# KiCad board chastity.kicad_pcb
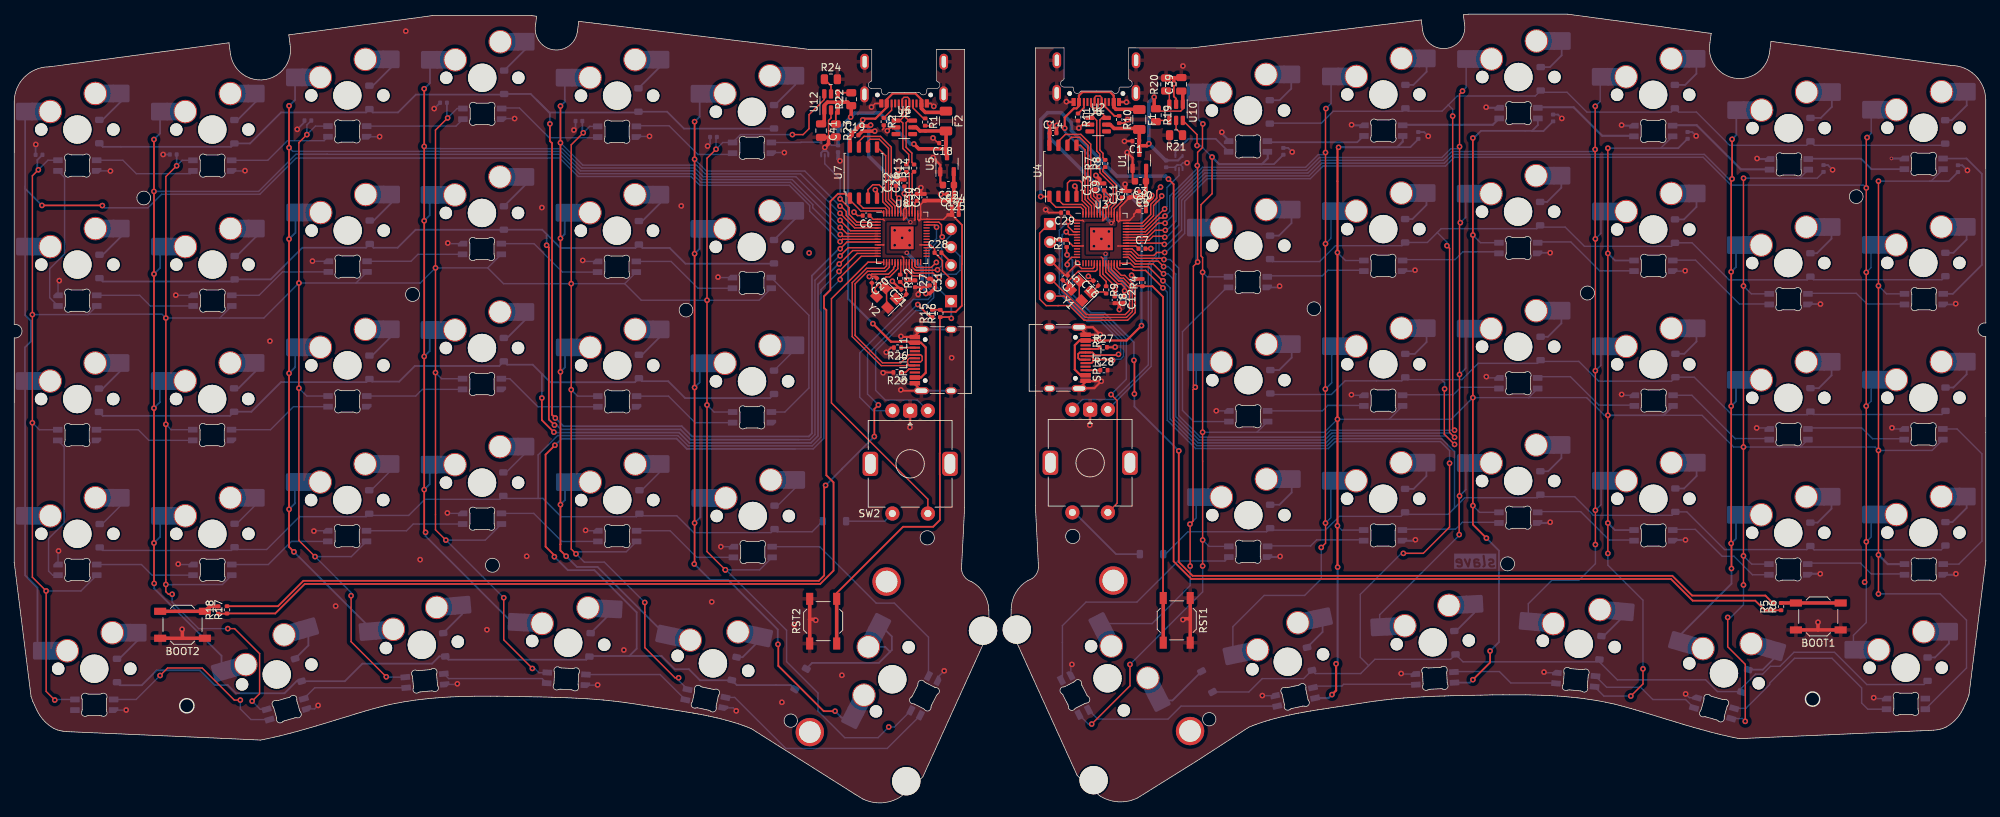
[diagram p0: board, top side]
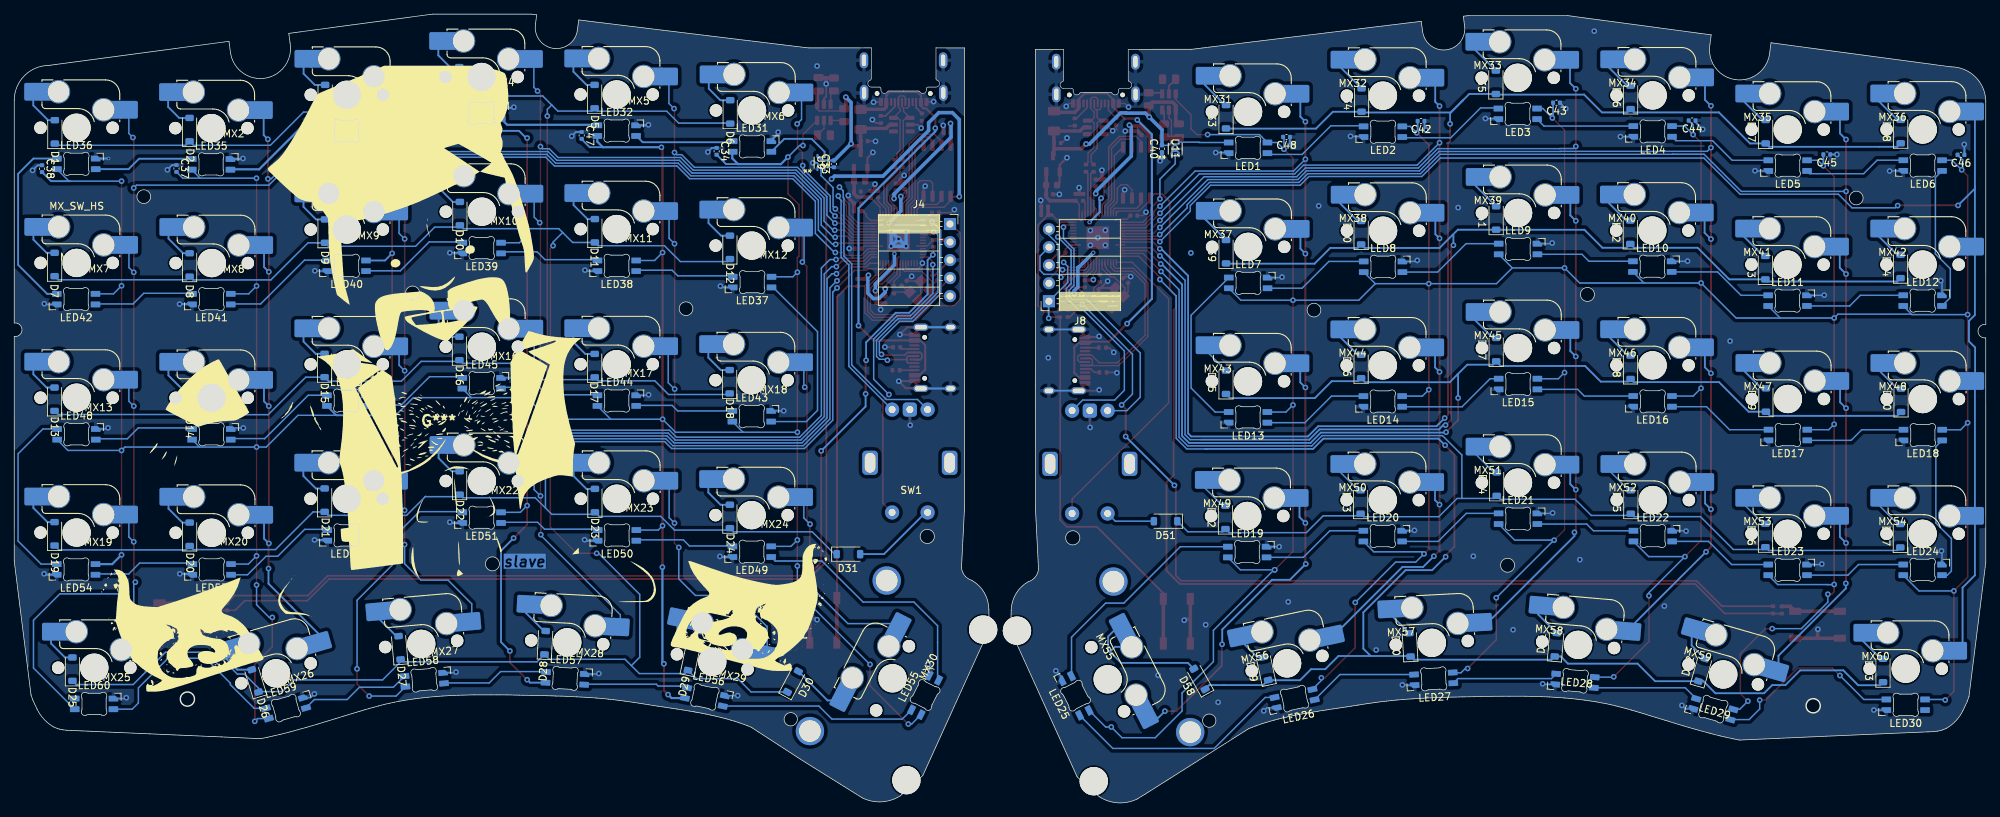
[diagram p1: board, bottom side, seen from below]

Outline 277.61 x 111.17 mm; copper layers: Top, Bottom. Coordinates in mm from the lower left corner of the outline.
Outline path: circle c18.24,85.26 r0.97 ; circle c24.31,13.69 r1 ; circle c56.09,71.67 r0.98 ; circle c67.33,33.49 r0.99 ; circle c94.6,69.46 r0.97 ; circle c109.34,11.59 r0.93 ; circle c128.56,37.36 r1 ; circle c149.05,37.56 r1 ; circle c168.27,11.79 r0.93 ; circle c183.01,69.66 r0.97 ; circle c210.27,33.69 r0.99 ; circle c221.52,71.87 r0.98 ; circle c253.22,14.63 r1 ; circle c259.36,85.46 r0.97 ; 38.84,106.93 arc(35.38,101.96) 30.46,105.49 30.24,107.14 4.91,103.75 arc(1.47,102.33) 0.01,98.91 0,67.44 arc(1.1,66.5) 0.01,65.54 0,33.91 2.37,15 2.61,14.31 3.22,13.02 arc(4.21,11.57) 5.58,10.49 6.06,10.29 6.39,10.19 6.85,10.1 7.36,10.04 8.13,10.01 29.15,9.1 34.69,8.85 35.59,9.03 37.41,9.44 38.94,9.83 41.18,10.45 42.52,10.84 45.17,11.65 48.21,12.58 48.68,12.72 49.31,12.91 49.91,13.08 50.54,13.26 51.29,13.46 52.23,13.71 52.78,13.83 53.52,13.99 54.88,14.24 56.47,14.48 57.44,14.6 58.28,14.69 59.36,14.79 60.31,14.86 61.46,14.93 62.54,14.97 64.84,15.03 67.97,15.03 69.47,15.02 71.12,14.98 73.63,14.94 75.71,14.89 76.25,14.86 76.95,14.85 77.77,14.82 79.18,14.75 80.66,14.67 81.96,14.58 83.01,14.49 83.67,14.42 84.39,14.34 85.08,14.26 86,14.14 87.19,13.97 88.41,13.78 89.3,13.64 89.99,13.53 90.58,13.44 91.33,13.33 91.89,13.25 92.51,13.15 92.84,13.1 93.3,13.03 94.07,12.91 94.62,12.82 95.1,12.74 95.56,12.66 95.68,12.64 95.79,12.62 95.97,12.59 96.14,12.56 96.4,12.51 96.74,12.45 97.04,12.39 97.4,12.32 97.81,12.23 98.05,12.18 98.5,12.08 98.94,11.98 99.55,11.83 100.21,11.66 100.89,11.47 101.39,11.32 101.93,11.15 102.76,10.86 103.23,10.68 103.78,10.46 118.4,1.21 119.49,0.55 arc(122.2,0.01) 124.82,0.87 127.94,3.67 136.76,23.1 137.25,26.04 137.23,27.08 arc(136.58,29.45) 134.83,31.17 arc(133.81,31.86) 133.38,33.01 133.82,41.66 133.83,58.78 133.81,70.25 133.82,106.21 129.85,106.22 ; 38.84,106.93 38.66,108.26 58.87,110.97 72.83,110.97 73.56,110.88 73.41,109.66 arc(75.84,106.16) 79.29,108.67 79.49,110.16 111.81,106.22 120.75,106.22 ; 147.82,106.43 143.79,106.41 143.81,58.8 143.8,57.45 143.79,41.86 144.22,33.21 arc(143.79,32.06) 142.78,31.37 arc(141.03,29.65) 140.38,27.28 140.36,26.24 140.85,23.3 149.67,3.87 152.82,1.01 arc(155.45,0.15) 158.15,0.69 166.58,5.95 173.83,10.66 174.38,10.88 174.85,11.06 175.68,11.35 176.22,11.52 176.72,11.67 177.4,11.86 178.06,12.03 178.67,12.18 179.11,12.28 179.56,12.38 179.8,12.43 180.21,12.52 180.57,12.59 180.87,12.65 181.21,12.71 181.47,12.76 181.64,12.79 181.82,12.82 181.93,12.84 182.05,12.86 182.51,12.94 182.99,13.02 183.54,13.11 184.31,13.23 184.77,13.3 185.1,13.35 185.72,13.45 186.28,13.53 187.03,13.64 187.62,13.73 188.31,13.84 189.2,13.98 190.42,14.17 191.61,14.34 192.53,14.46 193.22,14.54 193.94,14.62 194.6,14.69 195.65,14.78 196.95,14.87 198.43,14.95 199.84,15.02 200.66,15.05 201.36,15.06 201.9,15.09 203.98,15.14 206.49,15.18 208.14,15.22 209.64,15.23 212.77,15.23 215.07,15.17 216.15,15.13 217.3,15.06 218.25,14.99 219.33,14.89 220.17,14.8 221.14,14.68 222.73,14.44 224.09,14.19 224.83,14.03 225.38,13.91 226.32,13.66 227.07,13.46 227.7,13.28 228.3,13.11 228.93,12.92 229.4,12.78 232.44,11.85 235.09,11.04 236.43,10.65 238.67,10.03 240.2,9.64 242.02,9.23 242.92,9.05 248.46,9.3 258.51,9.73 269.48,10.21 270.25,10.24 270.76,10.3 271.22,10.39 271.55,10.49 272.03,10.69 arc(273.4,11.77) 274.39,13.21 275,14.51 275.24,15.2 277.61,34.11 277.6,65.74 arc(276.5,66.69) 277.61,67.64 277.6,99.11 arc(276.14,102.53) 272.69,103.95 247.37,107.34 247.15,105.69 arc(242.23,102.16) 238.77,107.13 ; 156.92,106.43 165.8,106.42 198.12,110.36 198.32,108.87 arc(201.76,106.36) 204.19,109.86 204.05,111.08 204.78,111.17 218.74,111.17 238.95,108.46 238.76,107.13

## Placement (name value [footprint] x y rotation side)
BOOT1  SW_Push  [SW_SPST_TL3342]  254.02 26.28 180 top
BOOT2  SW_Push  [SW_SPST_TL3342]  23.7 25.11 180 top
C1  1u  [C_0402_1005Metric]  157.92 93.28 180 top
C2  1u  [C_0402_1005Metric]  158.88 86.17 180 top
C3  10u  [C_0603_1608Metric]  158.58 87.63 180 top
C4  1u  [C_0402_1005Metric]  157.03 85.78 90 top
C5  100n  [C_0402_1005Metric]  158.87 83.41 0 top
C6  100n  [C_0402_1005Metric]  119.96 82.78 180 top
C7  100n  [C_0402_1005Metric]  158.79 78.12 0 top
C8  100n  [C_0402_1005Metric]  154.96 70.91 270 top
C9  100n  [C_0402_1005Metric]  153.46 86.83 90 top
C10  100n  [C_0402_1005Metric]  158.86 84.46 0 top
C11  1u  [C_0402_1005Metric]  155.96 85.8 90 top
C12  100n  [C_0402_1005Metric]  156.18 70.97 270 top
C13  100n  [C_0402_1005Metric]  152.24 87 90 top
C14  1u  [C_0402_1005Metric]  146.27 94.41 0 top
C15  22p  [C_0402_1005Metric]  147.98 74.02 225 top
C16  22p  [C_0402_1005Metric]  152.29 73.24 135 top
C17  1u  [C_0402_1005Metric]  131.81 85.78 180 top
C18  1u  [C_0402_1005Metric]  130.72 93 180 top
C19  1u  [C_0402_1005Metric]  118.39 94.12 0 top
C20  22p  [C_0402_1005Metric]  121.11 73.63 225 top
C21  22p  [C_0402_1005Metric]  125.26 72.02 135 top
C22  10u  [C_0603_1608Metric]  131.54 87.09 180 top
C23  1u  [C_0402_1005Metric]  128.17 85.36 90 top
C24  100n  [C_0402_1005Metric]  132.51 84.03 0 top
C25  100n  [C_0402_1005Metric]  132.51 82.89 0 top
C26  100n  [C_0402_1005Metric]  125.34 87.38 90 top
C27  100n  [C_0402_1005Metric]  126.86 73.17 270 top
C28  100n  [C_0402_1005Metric]  130.07 77.55 0 top
C29  100n  [C_0402_1005Metric]  147.89 83.19 180 top
C30  1u  [C_0402_1005Metric]  127.11 85.36 90 top
C31  100n  [C_0402_1005Metric]  128.89 73.42 270 top
C32  100n  [C_0402_1005Metric]  124.16 87.47 90 top
C33  100n  [C_0402_1005Metric]  162.2 90.07 90 bottom
C34  100u  [C_0402_1005Metric]  178.7 91.84 270 bottom
C35  100u  [C_0402_1005Metric]  216.68 96.54 270 bottom
C36  100u  [C_0402_1005Metric]  235.62 94.09 270 bottom
C37  100u  [C_0402_1005Metric]  254.76 89.42 270 bottom
C38  100u  [C_0402_1005Metric]  273.69 89.4 270 bottom
C39  100n  [C_0805_2012Metric]  164.33 101.29 90 top
C40  100n  [C_0402_1005Metric]  116 92.2 90 bottom
C41  100n  [C_0805_2012Metric]  113.61 94.76 270 top
C42  100u  [C_0402_1005Metric]  79.51 96.11 0 bottom
C43  100u  [C_0402_1005Metric]  60.45 98.69 0 bottom
C44  100u  [C_0402_1005Metric]  41.35 96.18 0 bottom
C45  100u  [C_0402_1005Metric]  22.39 91.39 0 bottom
C46  100u  [C_0402_1005Metric]  3.5 91.35 0 bottom
C47  100u  [C_0402_1005Metric]  197.7 94.08 270 bottom
C48  100u  [C_0402_1005Metric]  98.46 93.86 0 bottom
D1  D_Small  [D_SOD-123]  271.89 94.58 90 bottom
D2  D_Small  [D_SOD-123]  252.91 94.9 90 bottom
D3  D_Small  [D_SOD-123]  233.82 99.55 90 bottom
D4  D_Small  [D_SOD-123]  214.94 102.06 90 bottom
D5  D_Small  [D_SOD-123]  195.89 99.55 90 bottom
D6  D_Small  [D_SOD-123]  176.79 97.39 90 bottom
D7  D_Small  [D_SOD-123]  271.91 75.89 90 bottom
D8  D_Small  [D_SOD-123]  252.91 75.83 90 bottom
D9  D_Small  [D_SOD-123]  233.84 80.6 90 bottom
D10  D_Small  [D_SOD-123]  214.85 83.06 90 bottom
D11  D_Small  [D_SOD-123]  195.85 80.64 90 bottom
D12  D_Small  [D_SOD-123]  176.83 78.3 90 bottom
D13  D_Small  [D_SOD-123]  271.93 56.9 90 bottom
D14  D_Small  [D_SOD-123]  252.91 56.8 90 bottom
D15  D_Small  [D_SOD-123]  233.91 61.65 90 bottom
D16  D_Small  [D_SOD-123]  214.92 64.05 90 bottom
D17  D_Small  [D_SOD-123]  195.87 61.64 90 bottom
D18  D_Small  [D_SOD-123]  176.86 59.36 90 bottom
D19  D_Small  [D_SOD-123]  271.92 37.93 90 bottom
D20  D_Small  [D_SOD-123]  252.9 37.86 90 bottom
D21  D_Small  [D_SOD-123]  233.89 42.67 90 bottom
D22  D_Small  [D_SOD-123]  214.88 45.09 90 bottom
D23  D_Small  [D_SOD-123]  195.84 42.61 90 bottom
D24  D_Small  [D_SOD-123]  176.84 40.37 90 bottom
D25  D_Small  [D_SOD-123]  269.41 18.85 90 bottom
D26  D_Small  [D_SOD-123]  243.68 17.2 73 bottom
D27  D_Small  [D_SOD-123]  223.35 21.86 85 bottom
D28  D_Small  [D_SOD-123]  202.85 22.58 93 bottom
D29  D_Small  [D_SOD-123]  182.38 20.3 102 bottom
D30  D_Small  [D_SOD-123]  167.97 17.09 118 bottom
D31  D_Small  [D_SOD-123]  160.15 35.06 180 bottom
D33  D_Small  [D_SOD-123]  106.98 96.71 90 bottom
D34  D_Small  [D_SOD-123]  87.89 99.07 90 bottom
D35  D_Small  [D_SOD-123]  68.98 101.57 90 bottom
D36  D_Small  [D_SOD-123]  50.01 99.45 90 bottom
D37  D_Small  [D_SOD-123]  31 94.6 90 bottom
D38  D_Small  [D_SOD-123]  11.98 94.63 90 bottom
D39  D_Small  [D_SOD-123]  106.98 77.69 90 bottom
D40  D_Small  [D_SOD-123]  87.96 80.36 90 bottom
D41  D_Small  [D_SOD-123]  68.95 82.44 90 bottom
D42  D_Small  [D_SOD-123]  50.06 80.44 90 bottom
D43  D_Small  [D_SOD-123]  31.04 75.44 90 bottom
D44  D_Small  [D_SOD-123]  12 75.61 90 bottom
D45  D_Small  [D_SOD-123]  106.98 59.28 90 bottom
D46  D_Small  [D_SOD-123]  87.96 61.51 90 bottom
D47  D_Small  [D_SOD-123]  68.94 63.89 90 bottom
D48  D_Small  [D_SOD-123]  50.02 61.4 90 bottom
D49  D_Small  [D_SOD-123]  30.96 56.79 90 bottom
D50  D_Small  [D_SOD-123]  11.93 56.75 90 bottom
D51  D_Small  [D_SOD-123]  115.49 39.7 0 bottom
D52  D_Small  [D_SOD-123]  107.06 40.24 90 bottom
D53  D_Small  [D_SOD-123]  88.03 42.41 90 bottom
D54  D_Small  [D_SOD-123]  68.87 44.93 90 bottom
D55  D_Small  [D_SOD-123]  49.98 42.41 90 bottom
D56  D_Small  [D_SOD-123]  31.03 37.69 90 bottom
D57  D_Small  [D_SOD-123]  12.04 37.66 90 bottom
D58  D_Small  [D_SOD-123]  110.72 17.46 61 bottom
D59  D_Small  [D_SOD-123]  101.38 18.92 78 bottom
D60  D_Small  [D_SOD-123]  81.08 22.27 87 bottom
D61  D_Small  [D_SOD-123]  60.55 22.29 95 bottom
D62  D_Small  [D_SOD-123]  40 18.74 106 bottom
D63  D_Small  [D_SOD-123]  14.47 18.66 90 bottom
F1  Fuse_Small  [Fuse_1206_3216Metric]  158.42 96.32 270 top
F2  Fuse_Small  [Fuse_1206_3216Metric]  131.19 96.11 270 top
G***  LOGO  [mrSlave2]  217.83 53.86 180 bottom
J2  USB_C_Receptacle_USB2.0  [USB_C_Receptacle_HRO_TYPE-C-31-M-14]  125.29 99.79 180 top
J4  Conn_01x05  [PinSocket_1x05_P2.54mm_Horizontal]  145.84 81.59 180 bottom
J6  USB_C_Receptacle_USB2.0  [USB_C_Receptacle_HRO_TYPE-C-31-M-14]  152.36 99.99 180 top
J8  Conn_01x05  [PinSocket_1x05_P2.54mm_Horizontal]  131.91 70.71 0 bottom
LED1  SK6803MINI-E  [LED_MX_6028R]  103.88 92.33 180 bottom
LED2  SK6803MINI-E  [LED_MX_6028R]  84.89 94.6 180 bottom
LED3  SK6803MINI-E  [LED_MX_6028R]  65.91 97.12 180 bottom
LED4  SK6803MINI-E  [LED_MX_6028R]  46.91 94.64 180 bottom
LED5  SK6803MINI-E  [LED_MX_6028R]  27.9 89.82 180 bottom
LED6  SK6803MINI-E  [LED_MX_6028R]  8.89 89.83 180 bottom
LED7  SK6803MINI-E  [LED_MX_6028R]  103.86 73.29 0 bottom
LED8  SK6803MINI-E  [LED_MX_6028R]  84.87 75.57 0 bottom
LED9  SK6803MINI-E  [LED_MX_6028R]  65.86 78.07 0 bottom
LED10  SK6803MINI-E  [LED_MX_6028R]  46.96 75.59 0 bottom
LED11  SK6803MINI-E  [LED_MX_6028R]  27.92 70.79 0 bottom
LED12  SK6803MINI-E  [LED_MX_6028R]  8.9 70.79 0 bottom
LED13  SK6803MINI-E  [LED_MX_6028R]  103.89 54.34 180 bottom
LED14  SK6803MINI-E  [LED_MX_6028R]  84.91 56.58 180 bottom
LED15  SK6803MINI-E  [LED_MX_6028R]  65.86 59.04 180 bottom
LED16  SK6803MINI-E  [LED_MX_6028R]  46.92 56.59 180 bottom
LED17  SK6803MINI-E  [LED_MX_6028R]  27.87 51.85 180 bottom
LED18  SK6803MINI-E  [LED_MX_6028R]  8.86 51.84 180 bottom
LED19  SK6803MINI-E  [LED_MX_6028R]  103.99 35.36 0 bottom
LED20  SK6803MINI-E  [LED_MX_6028R]  84.91 37.6 0 bottom
LED21  SK6803MINI-E  [LED_MX_6028R]  65.87 40.06 0 bottom
LED22  SK6803MINI-E  [LED_MX_6028R]  46.88 37.61 0 bottom
LED23  SK6803MINI-E  [LED_MX_6028R]  27.9 32.85 0 bottom
LED24  SK6803MINI-E  [LED_MX_6028R]  8.89 32.85 0 bottom
LED25  SK6803MINI-E  [LED_MX_6028R]  128.17 15.12 243 bottom
LED26  SK6803MINI-E  [LED_MX_6028R]  97.32 14.7 168 bottom
LED27  SK6803MINI-E  [LED_MX_6028R]  77.74 17.48 177 bottom
LED28  SK6803MINI-E  [LED_MX_6028R]  57.84 17.21 185 bottom
LED29  SK6803MINI-E  [LED_MX_6028R]  38.37 13.22 196 bottom
LED30  SK6803MINI-E  [LED_MX_6028R]  11.27 13.83 180 bottom
LED31  SK6803MINI-E  [LED_MX_6028R]  173.72 92.53 0 bottom
LED32  SK6803MINI-E  [LED_MX_6028R]  192.77 94.76 0 bottom
LED33  SK6803MINI-E  [LED_MX_6028R]  211.81 97.22 0 bottom
LED34  SK6803MINI-E  [LED_MX_6028R]  230.78 94.71 0 bottom
LED35  SK6803MINI-E  [LED_MX_6028R]  249.88 90 0 bottom
LED36  SK6803MINI-E  [LED_MX_6028R]  268.86 90.08 0 bottom
LED37  SK6803MINI-E  [LED_MX_6028R]  173.7 73.4 180 bottom
LED38  SK6803MINI-E  [LED_MX_6028R]  192.76 75.7 180 bottom
LED39  SK6803MINI-E  [LED_MX_6028R]  211.78 78.2 180 bottom
LED40  SK6803MINI-E  [LED_MX_6028R]  230.8 75.7 180 bottom
LED41  SK6803MINI-E  [LED_MX_6028R]  249.83 71 180 bottom
LED42  SK6803MINI-E  [LED_MX_6028R]  268.88 71 180 bottom
LED43  SK6803MINI-E  [LED_MX_6028R]  173.76 54.5 0 bottom
LED44  SK6803MINI-E  [LED_MX_6028R]  192.76 56.7 0 bottom
LED45  SK6803MINI-E  [LED_MX_6028R]  211.78 59.15 0 bottom
LED46  SK6803MINI-E  [LED_MX_6028R]  230.84 56.7 0 bottom
LED47  SK6803MINI-E  [LED_MX_6028R]  249.83 51.95 0 bottom
LED48  SK6803MINI-E  [LED_MX_6028R]  268.83 51.95 0 bottom
LED49  SK6803MINI-E  [LED_MX_6028R]  173.75 35.4 180 bottom
LED50  SK6803MINI-E  [LED_MX_6028R]  192.73 37.7 180 bottom
LED51  SK6803MINI-E  [LED_MX_6028R]  211.78 40.2 180 bottom
LED52  SK6803MINI-E  [LED_MX_6028R]  230.8 37.7 180 bottom
LED53  SK6803MINI-E  [LED_MX_6028R]  249.8 32.9 180 bottom
LED54  SK6803MINI-E  [LED_MX_6028R]  268.88 32.9 180 bottom
LED55  SK6803MINI-E  [LED_MX_6028R]  149.35 15.2 297 bottom
LED56  SK6803MINI-E  [LED_MX_6028R]  180.35 14.94 12 bottom
LED57  SK6803MINI-E  [LED_MX_6028R]  200.04 17.55 3 bottom
LED58  SK6803MINI-E  [LED_MX_6028R]  219.87 17.35 355 bottom
LED59  SK6803MINI-E  [LED_MX_6028R]  239.35 13.35 344 bottom
LED60  SK6803MINI-E  [LED_MX_6028R]  266.36 13.95 0 bottom
MX1  MX_SW_HS  [SW_MX_HS_1u]  268.83 95.16 180 bottom
MX2  MX_SW_HS  [SW_MX_HS_1u]  249.84 95.11 180 bottom
MX3  MX_SW_HS  [SW_MX_HS_1u]  230.77 99.8 180 bottom
MX4  MX_SW_HS  [SW_MX_HS_1u]  211.8 102.31 180 bottom
MX5  MX_SW_HS  [SW_MX_HS_1u]  192.78 99.85 180 bottom
MX6  MX_SW_HS  [SW_MX_HS_1u]  173.72 97.6 180 bottom
MX7  MX_SW_HS  [SW_MX_HS_1u]  268.81 76.11 180 bottom
MX8  MX_SW_HS  [SW_MX_HS_1u]  249.79 76.09 180 bottom
MX9  MX_SW_HS  [SW_MX_HS_1u]  230.78 80.82 180 bottom
MX10  MX_SW_HS  [SW_MX_HS_1u]  211.75 83.33 180 bottom
MX11  MX_SW_HS  [SW_MX_HS_1u]  192.77 80.88 180 bottom
MX12  MX_SW_HS  [SW_MX_HS_1u]  173.76 78.55 180 bottom
MX13  MX_SW_HS  [SW_MX_HS_1u]  268.82 57.11 180 bottom
MX14  MX_SW_HS  [SW_MX_HS_1u]  249.8 57.09 180 bottom
MX15  MX_SW_HS  [SW_MX_HS_1u]  230.78 61.81 180 bottom
MX16  MX_SW_HS  [SW_MX_HS_1u]  211.76 64.3 180 bottom
MX17  MX_SW_HS  [SW_MX_HS_1u]  192.78 61.83 180 bottom
MX18  MX_SW_HS  [SW_MX_HS_1u]  173.78 59.58 180 bottom
MX19  MX_SW_HS  [SW_MX_HS_1u]  268.82 38.1 180 bottom
MX20  MX_SW_HS  [SW_MX_HS_1u]  249.79 38.07 180 bottom
MX21  MX_SW_HS  [SW_MX_HS_1u]  230.8 42.87 180 bottom
MX22  MX_SW_HS  [SW_MX_HS_1u]  211.76 45.37 180 bottom
MX23  MX_SW_HS  [SW_MX_HS_1u]  192.75 42.87 180 bottom
MX24  MX_SW_HS  [SW_MX_HS_1u]  173.78 40.56 180 bottom
MX25  MX_SW_HS  [SW_MX_HS_1u]  266.33 19.05 180 bottom
MX26  MX_SW_HS  [SW_MX_HS_1u]  240.74 18.26 164 bottom
MX27  MX_SW_HS  [SW_MX_HS_1u]  220.3 22.41 175 bottom
MX28  MX_SW_HS  [SW_MX_HS_1u]  199.74 22.63 183 bottom
MX29  MX_SW_HS  [SW_MX_HS_1u]  179.32 19.89 192 bottom
MX30  MX_SW_HS  [SW_MX_HS_1u]  153.94 17.56 117 bottom
MX31  MX_SW_HS  [SW_MX_HS_1u]  103.88 97.41 180 bottom
MX32  MX_SW_HS  [SW_MX_HS_1u]  84.89 99.68 180 bottom
MX33  MX_SW_HS  [SW_MX_HS_1u]  65.91 102.2 180 bottom
MX34  MX_SW_HS  [SW_MX_HS_1u]  46.91 99.72 180 bottom
MX35  MX_SW_HS  [SW_MX_HS_1u]  27.9 94.9 180 bottom
MX36  MX_SW_HS  [SW_MX_HS_1u]  8.89 94.91 180 bottom
MX37  MX_SW_HS  [SW_MX_HS_1u]  103.86 78.37 180 bottom
MX38  MX_SW_HS  [SW_MX_HS_1u]  84.87 80.65 180 bottom
MX39  MX_SW_HS  [SW_MX_HS_1u]  65.86 83.15 180 bottom
MX40  MX_SW_HS  [SW_MX_HS_1u]  46.96 80.67 180 bottom
MX41  MX_SW_HS  [SW_MX_HS_1u]  27.92 75.87 180 bottom
MX42  MX_SW_HS  [SW_MX_HS_1u]  8.9 75.87 180 bottom
MX43  MX_SW_HS  [SW_MX_HS_1u]  103.89 59.42 180 bottom
MX44  MX_SW_HS  [SW_MX_HS_1u]  84.91 61.66 180 bottom
MX45  MX_SW_HS  [SW_MX_HS_1u]  65.86 64.12 180 bottom
MX46  MX_SW_HS  [SW_MX_HS_1u]  46.92 61.67 180 bottom
MX47  MX_SW_HS  [SW_MX_HS_1u]  27.87 56.93 180 bottom
MX48  MX_SW_HS  [SW_MX_HS_1u]  8.86 56.92 180 bottom
MX49  MX_SW_HS  [SW_MX_HS_1u]  103.99 40.44 180 bottom
MX50  MX_SW_HS  [SW_MX_HS_1u]  84.91 42.68 180 bottom
MX51  MX_SW_HS  [SW_MX_HS_1u]  65.87 45.14 180 bottom
MX52  MX_SW_HS  [SW_MX_HS_1u]  46.88 42.69 180 bottom
MX53  MX_SW_HS  [SW_MX_HS_1u]  27.9 37.93 180 bottom
MX54  MX_SW_HS  [SW_MX_HS_1u]  8.89 37.93 180 bottom
MX55  MX_SW_HS  [SW_MX_HS_1u]  123.64 17.42 243 bottom
MX56  MX_SW_HS  [SW_MX_HS_1u]  98.38 19.67 168 bottom
MX57  MX_SW_HS  [SW_MX_HS_1u]  78 22.56 177 bottom
MX58  MX_SW_HS  [SW_MX_HS_1u]  57.4 22.27 185 bottom
MX59  MX_SW_HS  [SW_MX_HS_1u]  36.97 18.1 196 bottom
MX60  MX_SW_HS  [SW_MX_HS_1u]  11.27 18.91 180 bottom
R1  5K1  [R_0402_1005Metric]  128.27 95.97 270 top
R2  5K1  [R_0402_1005Metric]  122.44 96.03 270 top
R3  5K1  [R_0402_1005Metric]  148.2 78.86 90 top
R4  5K1  [R_0402_1005Metric]  158.84 73.33 90 top
R5  5K1  [R_0402_1005Metric]  247.63 27.65 90 top
R6  1k  [R_0402_1005Metric]  248.78 27.66 90 top
R7  27  [R_0402_1005Metric]  152.53 90.12 90 top
R8  27  [R_0402_1005Metric]  153.61 90.12 90 top
R9  1k  [R_0402_1005Metric]  153.74 72.31 270 top
R10  5K1  [R_0402_1005Metric]  155.59 96.32 270 top
R11  5K1  [R_0402_1005Metric]  149.8 96.66 270 top
R12  1k  [R_0402_1005Metric]  124.74 73.95 270 top
R13  27  [R_0402_1005Metric]  125.62 89.47 90 top
R14  27  [R_0402_1005Metric]  126.7 89.47 90 top
R15  5K1  [R_0402_1005Metric]  129.26 69 90 top
R16  5K1  [R_0402_1005Metric]  130.39 68.98 90 top
R17  5K1  [R_0402_1005Metric]  29.96 27.21 90 top
R18  1k  [R_0402_1005Metric]  28.73 27.19 90 top
R19  5.1k  [R_0805_2012Metric]  160.76 96.93 270 top
R20  5.1k  [R_0805_2012Metric]  162.19 101.27 90 top
R21  75k  [R_0805_2012Metric]  163.59 94.12 180 top
R22  5.1k  [R_0805_2012Metric]  117.86 99.19 90 top
R23  5.1k  [R_0805_2012Metric]  115.69 94.78 270 top
R24  75k  [R_0805_2012Metric]  114.99 102 0 top
R25  5K1  [R_0402_1005Metric]  124.31 60.68 180 top
R26  5K1  [R_0402_1005Metric]  124.38 64.17 180 top
R27  5K1  [R_0402_1005Metric]  153.35 64.22 0 top
R28  5K1  [R_0402_1005Metric]  153.45 60.99 0 top
RST1  SW_Push  [SW_SPST_TL3342]  163.69 25.73 270 top
RST2  SW_Push  [SW_SPST_TL3342]  113.91 25.61 90 top
S1  MX_stab  [STAB_MX_P_2u]  153.94 17.56 117 bottom
S2  MX_stab  [STAB_MX_P_2u]  123.65 17.41 63 top
SPLIT_L1  USB-C-2.0  [USB_C_Receptacle_HRO_TYPE-C-31-M-12]  130.87 62.41 90 top
SPLIT_R1  USB-C-2.0  [USB_C_Receptacle_HRO_TYPE-C-31-M-12]  146.82 62.73 270 top
SW1  RotaryEncoder_Switch  [ROT_Alps_EC11E-Switch]  151.5 47.94 180 top
SW2  RotaryEncoder_Switch  [ROT_Alps_EC11E-Switch]  126.15 47.79 180 top
U1  XC6206PxxxMR  [SOT-23-3]  158.43 90.57 90 top
U2  SRV05-4  [SOT-23-6-routable]  152.63 95.6 0 top
U3  RP2040  [QFN-56-1EP_7x7mm_P0.4mm_EP3.2x3.2mm]  153.09 79.5 0 top
U4  W25Q128JVS  [SOIC-8_5.23x5.23mm_P1.27mm]  147.66 89.09 90 top
U5  XC6206PxxxMR  [SOT-23-3]  131.34 90.09 90 top
U6  SRV05-4  [SOT-23-6-routable]  125.33 95.22 0 top
U7  W25Q128JVS  [SOIC-8_5.23x5.23mm_P1.27mm]  119.58 88.84 90 top
U8  RP2040  [QFN-56-1EP_7x7mm_P0.4mm_EP3.2x3.2mm]  125.03 79.65 0 top
U9  74AHC1G125  [DRL5]  164 90.27 90 bottom
U10  TPS2553DBVR  [SOT-23-6]  163.59 97.34 270 top
U11  74AHC1G125  [DRL5]  114.13 92.21 90 bottom
U12  TPS2553DBVR  [SOT-23-6]  115.01 98.8 90 top
Y1  Crystal_GND24  [Crystal_SMD_3225-4Pin_3.2x2.5mm]  150.13 72.19 135 top
Y2  Crystal_GND24  [Crystal_SMD_3225-4Pin_3.2x2.5mm]  122.79 71.21 135 top

## Library data of the parts
BOOT1 BOOT2 RST1 RST2 = -: Description: Push button switch, generic, two pins
C1-C38 C40 C42-C48 = -: Description: Unpolarized capacitor, small symbol
C39 C41 = -: Description: Unpolarized capacitor; LCSC: C1760
D1-D31 D33-D63 = -: Description: Diode, small symbol; Sim.Device: D; Sim.Pins: 1=K 2=A
F1 F2 = -: Description: Fuse, small symbol
J2 J6 SPLIT_L1 SPLIT_R1 = -: Description: USB 2.0-only Type-C Receptacle connector
J4 J8 = -: Description: Generic connector, single row, 01x05, script generated (kicad-library-utils/schlib/autogen/connector/)
LED1-LED60 = -: Description: Reverse mount adressable LED (WS2812 protocol); Field4: 1
MX1-MX60 = -: Description: Push button switch, normally open, two pins, 45° tilted
R1-R18 R25-R28 = -: Description: Resistor, small symbol
R19 R20 R22 R23 = -: Description: Resistor; LCSC: C27834
R21 R24 = -: Description: Resistor; LCSC: C17819
S1 S2 = -: Description: Cherry MX-style stabilizer
SW1 SW2 = -: Description: Rotary encoder, dual channel, incremental quadrate outputs, with switch
U1 U5 = -: Description: Positive 60-250mA Low Dropout Regulator, Fixed Output, SOT-23
U2 U6 = -: Description: ESD Protection Diodes with Low Clamping Voltage, SOT-23-6
U3 U8 = -: Description: A microcontroller by Raspberry Pi
U4 U7 = -: Description: 128Mb Serial Flash Memory, Standard/Dual/Quad SPI, SOIC-8
U9 U11 = -: Description: Single Buffer Gate Tri-State, Low-Voltage CMOS
U10 U12 = -: LCSC: C55266
Y1 Y2 = -: Description: Four pin crystal, GND on pins 2 and 4

## Footprints (pads in the part's own frame, mm; a bottom-side part is the same pattern mirrored in y, then rotated)
C_0402_1005Metric
  rrect 0.56x0.62 smd: 1(-0.48,0) 2(0.48,0)
C_0603_1608Metric
  rrect 0.9x0.95 smd: 1(-0.775,0) 2(0.775,0)
C_0805_2012Metric
  rrect 1x1.45 smd: 1(-0.95,0) 2(0.95,0)
Crystal_SMD_3225-4Pin_3.2x2.5mm
  rect 1.4x1.2 smd: 1(-1.1,-0.85) 2(1.1,-0.85) 3(1.1,0.85) 4(-1.1,0.85)
D_SOD-123
  rrect 0.9x1.2 smd: 1(-1.65,0) 2(1.65,0)
DRL5
  rect 0.553x0.254 smd: 1(-0.924,0.5) 2(-0.924,0) 3(-0.924,-0.5) 4(0.924,-0.5) 5(0.924,0.5)
Fuse_1206_3216Metric
  rrect 1.25x1.75 smd: 1(-1.4,0) 2(1.4,0)
LED_MX_6028R
  rrect 1.35x0.82 smd: 1(2.725,0.75) 2(2.725,-0.75) 3(-2.725,0.75) 4(-2.725,-0.75)
PinSocket_1x05_P2.54mm_Horizontal
  rect 1.7x1.7 hole 1: 1(0,0)
  oval 1.7x1.7 hole 1: 2(0,-2.54) 3(0,-5.08) 4(0,-7.62) 5(0,-10.16)
QFN-56-1EP_7x7mm_P0.4mm_EP3.2x3.2mm
  rrect 1.29x1.29 smd: (-0.8,0.8) (-0.8,-0.8) (0.8,0.8) (0.8,-0.8)
  rrect 0.875x0.2 smd: 1(-3.438,2.6) 2(-3.438,2.2) 3(-3.438,1.8) 4(-3.438,1.4) 5(-3.438,1) 6(-3.438,0.6) 7(-3.438,0.2) 8(-3.438,-0.2) 9(-3.438,-0.6) 10(-3.438,-1) 11(-3.438,-1.4) 12(-3.438,-1.8) 13(-3.438,-2.2) 14(-3.438,-2.6) 29(3.438,-2.6) 30(3.438,-2.2) 31(3.438,-1.8) 32(3.438,-1.4) 33(3.438,-1) 34(3.438,-0.6) 35(3.438,-0.2) 36(3.438,0.2) 37(3.438,0.6) 38(3.438,1) 39(3.438,1.4) 40(3.438,1.8) 41(3.438,2.2) 42(3.438,2.6)
  rrect 0.2x0.875 smd: 15(-2.6,-3.438) 16(-2.2,-3.438) 17(-1.8,-3.438) 18(-1.4,-3.438) 19(-1,-3.438) 20(-0.6,-3.438) 21(-0.2,-3.438) 22(0.2,-3.438) 23(0.6,-3.438) 24(1,-3.438) 25(1.4,-3.438) 26(1.8,-3.438) 27(2.2,-3.438) 28(2.6,-3.438) 43(2.6,3.438) 44(2.2,3.438) 45(1.8,3.438) 46(1.4,3.438) 47(1,3.438) 48(0.6,3.438) 49(0.2,3.438) 50(-0.2,3.438) 51(-0.6,3.438) 52(-1,3.438) 53(-1.4,3.438) 54(-1.8,3.438) 55(-2.2,3.438) 56(-2.6,3.438)
  rect 3.2x3.2 smd: 57(0,0)
R_0402_1005Metric
  rrect 0.54x0.64 smd: 1(-0.51,0) 2(0.51,0)
R_0805_2012Metric
  rrect 1.025x1.4 smd: 1(-0.912,0) 2(0.912,0)
ROT_Alps_EC11E-Switch
  round 2 hole 1: A(-2.5,-7.5) B(2.5,-7.5) S1(2.5,7) S2(-2.5,7)
  rrect 2x2 hole 1: C(0,-7.5)
  rrect 2.2x3.4 hole 1.5x2.8: MP(-5.6,0) MP(5.6,0)
SOIC-8_5.23x5.23mm_P1.27mm
  rrect 1.6x0.6 smd: 1(-3.6,1.905) 2(-3.6,0.635) 3(-3.6,-0.635) 4(-3.6,-1.905) 5(3.6,-1.905) 6(3.6,-0.635) 7(3.6,0.635) 8(3.6,1.905)
SOT-23-3
  rrect 1.325x0.6 smd: 1(-1.137,0.95) 2(-1.137,-0.95) 3(1.137,0)
SOT-23-6
  rrect 1.325x0.6 smd: 1(-1.137,0.95) 2(-1.137,0) 3(-1.137,-0.95) 4(1.137,-0.95) 5(1.137,0) 6(1.137,0.95)
SOT-23-6-routable
  rrect 1.25x0.6 smd: 1(-1.175,0.95) 2(-1.175,0) 3(-1.175,-0.95) 4(1.175,-0.95) 5(1.175,0) 6(1.175,0.95)
STAB_MX_P_2u
  round 4 hole 3.048: (-11.906,6.985) (11.906,6.985)
  round 3.988 hole 3.988 unplated: (-11.906,-8.255) (11.906,-8.255)
SW_MX_HS_1u
  round 1.75 hole 1.75 unplated: (-5.08,0) (5.08,0)
  round 3.988 hole 3.988 unplated: (0,0)
  round 3.3 hole 3: 1(3.81,2.54) 2(-2.54,5.08)
  rect 1.65x2.5 smd: 1(5.635,2.54) 2(-4.34,5.08)
  rrect 2.55x2.5 smd: 1(7.36,2.54) 2(-6.09,5.08)
SW_SPST_TL3342
  rect 1.7x1 smd: 1(-3.15,1.9) 1(3.15,1.9) 2(-3.15,-1.9) 2(3.15,-1.9)
USB_C_Receptacle_HRO_TYPE-C-31-M-12
  round 0.65 hole 0.65 unplated: (-2.89,2.6) (2.89,2.6)
  rect 0.6x1.45 smd: A1(-3.25,4.045) A4(-2.45,4.045) A9(2.45,4.045) A12(3.25,4.045) B1(3.25,4.045) B4(2.45,4.045) B9(-2.45,4.045) B12(-3.25,4.045)
  rect 0.3x1.45 smd: A5(-1.25,4.045) A6(-0.25,4.045) A7(0.25,4.045) A8(1.25,4.045) B5(1.75,4.045) B6(0.75,4.045) B7(-0.75,4.045) B8(-1.75,4.045)
  oval 1x2.1 hole 0.6x1.7: S1(-4.32,3.13) S1(4.32,3.13)
  oval 1x1.6 hole 0.6x1.2: S1(-4.32,-1.05) S1(4.32,-1.05)
USB_C_Receptacle_HRO_TYPE-C-31-M-14
  round 0.65 hole 0.65 unplated: (-3.75,0) (3.75,0)
  rect 0.54x1.1 smd: A1(-3.2,1.2) A4(-2.45,1.2) A9(2.45,1.2) A12(3.2,1.2) B1(3.2,1.2) B4(2.45,1.2) B9(-2.45,1.2) B12(-3.2,1.2)
  rect 0.3x1.1 smd: A5(-1.25,1.2) A6(-0.25,1.2) A7(0.25,1.2) A8(1.25,1.2) B5(1.75,1.2) B6(0.75,1.2) B7(-0.75,1.2) B8(-1.75,1.2)
  oval 1.2x2.25 hole 0.6x1.65: S1(-5.595,-4.68) S1(-5.575,-0.08) S1(5.555,-4.68) S1(5.575,-0.08)
